# KiCad board PC110.kicad_pcb (continued)
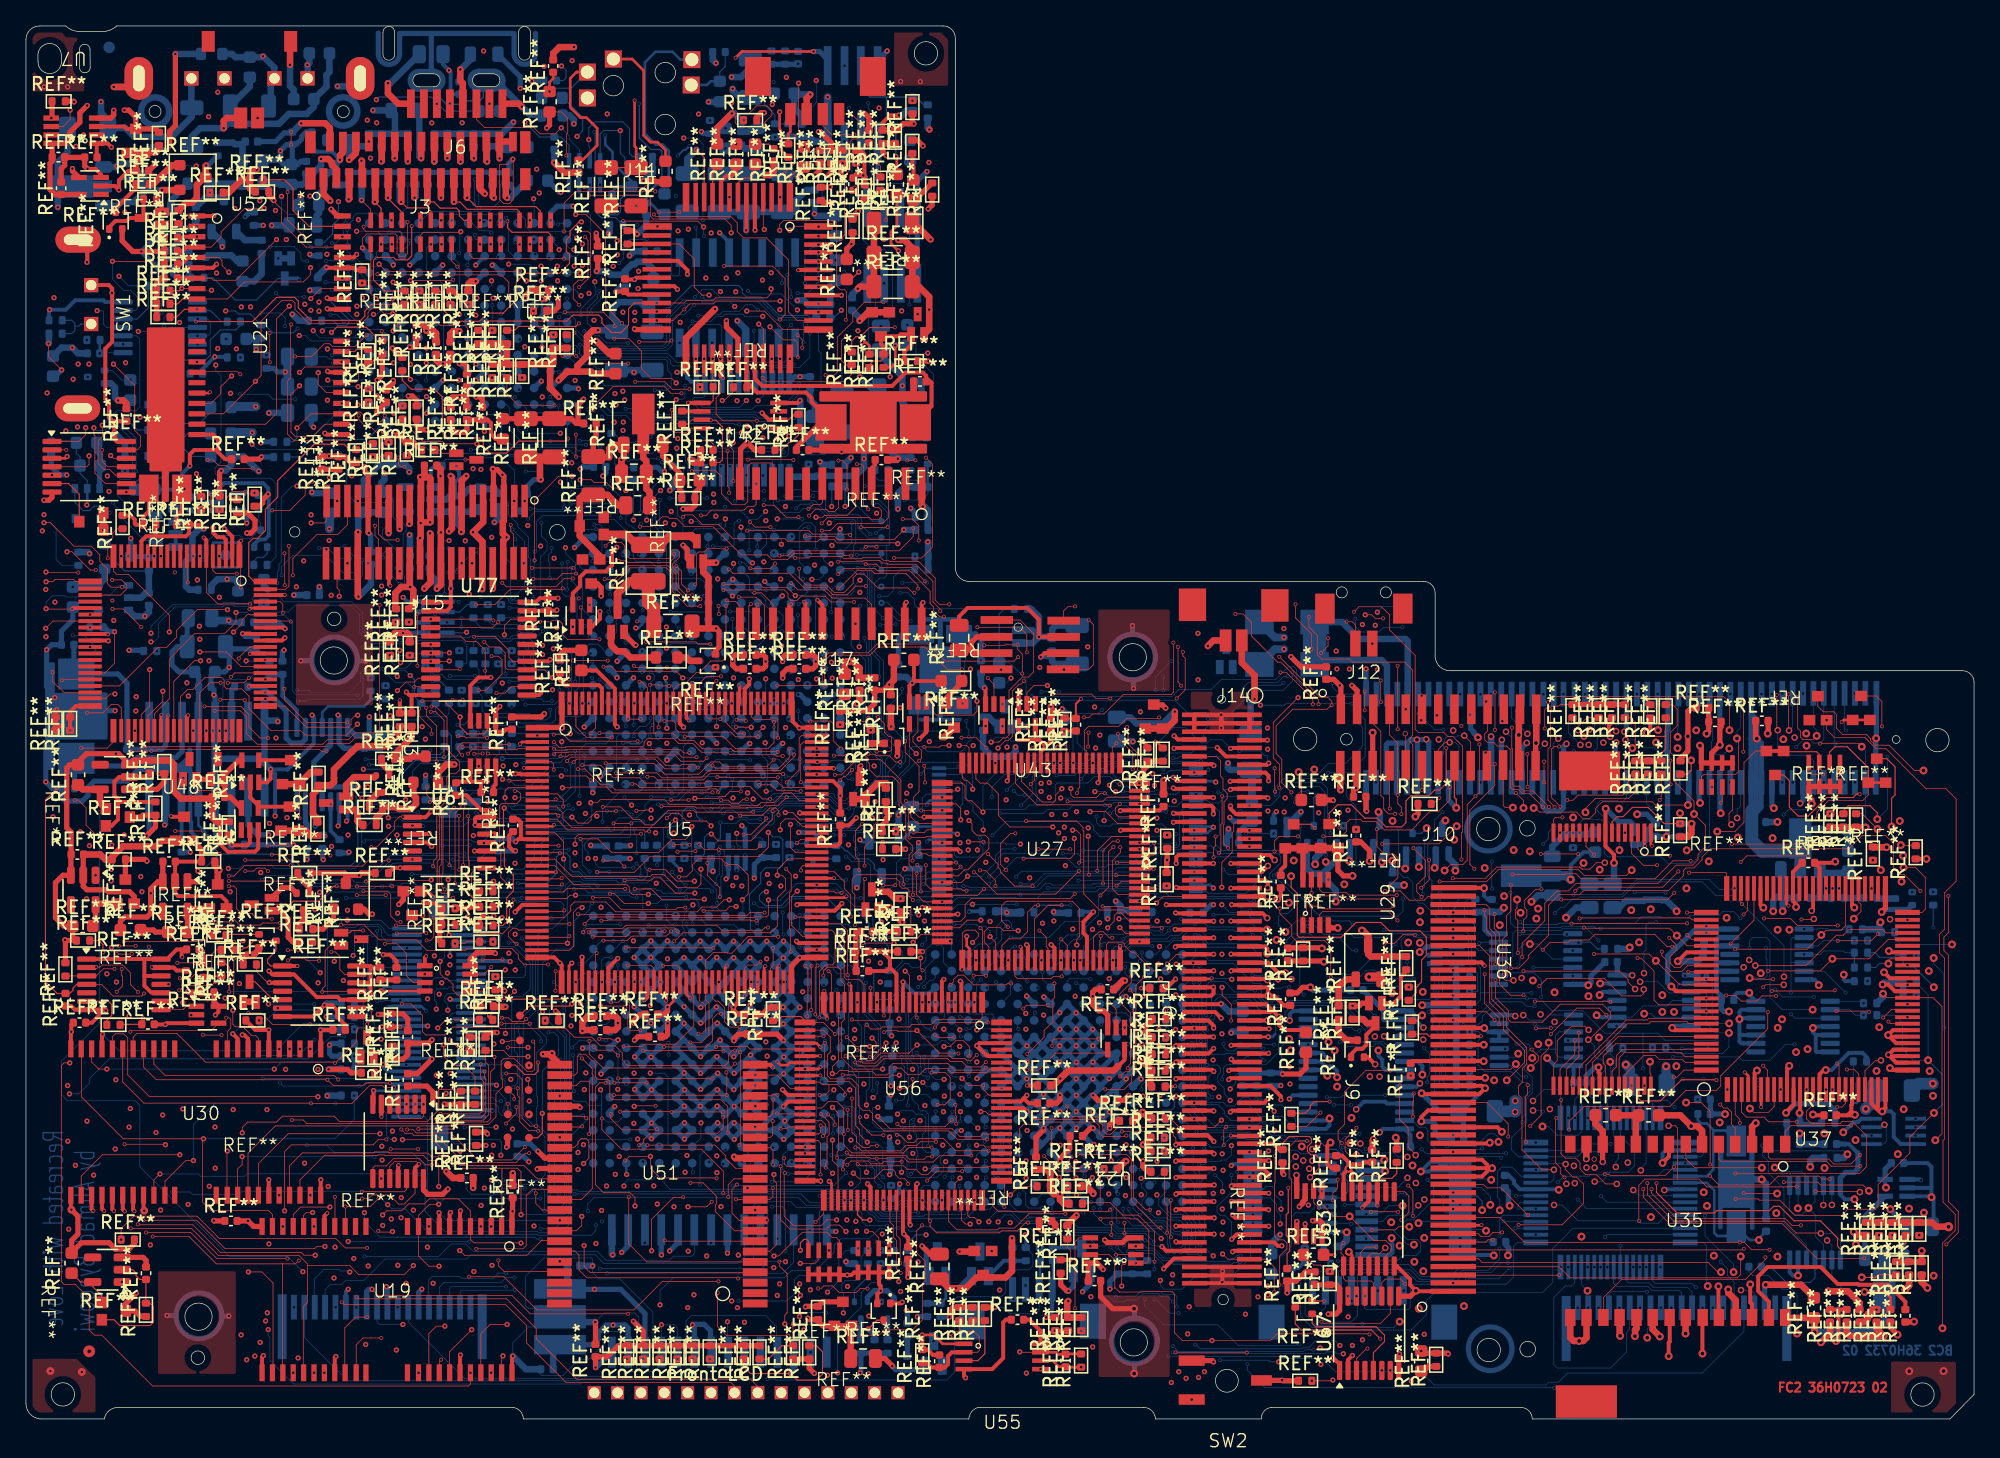
[diagram p0: board, top side]
## Via types
v1: diameter 0.4, hole 0.2, FC2 to BC2, 1903 vias
v2: diameter 0.3, hole 0.2, FC2 to FC1, 1729 vias
v3: diameter 0.6, hole 0.3, FC2 to BC2, 360 vias
v4: diameter 0.3, hole 0.2, FC2 to BC2, 6 vias
v5: diameter 0.5, hole 0.3, FC2 to BC2, 130 vias
v6: diameter 0.3, hole 0.2, FC2 to IC2, 2 vias
v7: diameter 0.9, hole 0.3, FC2 to BC2, 1 via
v8: diameter 0.3, hole 0.2, FC2 to IC1, 1 via
v9: diameter 0.4, hole 0.3, FC2 to BC2, 2 vias
v10: diameter 0.5, hole 0.2, FC2 to BC2, 1 via
v11: diameter 0.3, hole 0.2, BC1 to BC2, 1935 vias
v12: diameter 0.5, hole 0.2, BC1 to BC2, 3 vias
v13: diameter 0.4, hole 0.2, BC1 to BC2, 12 vias
v14: diameter 0.4, hole 0.2, FC2 to FC1, 1 via
v15: diameter 0.6, hole 0.2, FC2 to BC2, 4 vias
v16: diameter 0.6, hole 0.3, BC1 to BC2, 1 via

## Routing (per net, layer and track width the routed paths; a pad name or vN(x,y) marks a point on that pad's centre or on a via; arc(x,y) is an arc through that point)
A5VDET_AGPI: length 31.6
  FC2 w0.3: J16.19 92.82,42.81 v1(92.81,42.8)
  BC1 w0.05: v11(86.1,41.83) 92.32,41.83 92.81,42.32 v1(92.81,42.8) ; v11(72.21,41.06) 72.22,41.05 72.22,38.19 72.07,38.04 72.07,35.39 72.93,34.53 v11(72.93,33.84)
  BC2 w0.05: 72.57,33.24 72.57,33.27 72.92,33.62 72.92,33.83 v11(72.93,33.84) ; v11(72.21,41.06) 72.57,41.06 72.69,40.94 77.77,40.94 78.68,41.85 83.96,41.85 84.02,41.91 86.02,41.91 v11(86.1,41.83)
AV9_2XCPUCLK: length 3.2
  BC2 w0.08: 11.99,47.91 U8#2.14
  BC2 w0.3: REF**#624.1 11.99,47.91
AV9_14_318MHz: length 3.7
  BC2 w0.08: 15.8,47.89 U8#2.11
  BC2 w0.4: REF**#840.2 15.8,47.89
AV9_24MHz: length 2.8
  BC2 w0.08: 15.85,53.79 U8#2.6
  BC2 w0.4: 15.85,53.79 15.85,56.21 REF**#481.2
AV9_FS2: length 52.2
  FC2 w0.4: REF**#74.2 8.86,46.38 9.01,46.53 REF**#309.1 9.97,45.62 v1(9.29,44.94)
  IC2 w0.6: v1(15.49,64.72) 15.08,64.72 14.18,63.82 14.18,62.29 14.94,61.53 v1(15.61,61.53) 15.79,61.35 16.55,61.35 16.7,61.2 17.69,61.2 18.1,60.79 18.1,45.23 18.31,45.02 v1(18.69,45.02)
  IC3 w0.6: v1(18.69,45.02) 17.82,45.02 16.18,46.66 9.97,46.66 9.29,45.98 v1(9.29,44.94)
  BC2 w0.4: U8#2.10 17.11,45.75 17.83,45.02 v1(18.69,45.02) ; REF**#743.2 15.75,61.39 v1(15.61,61.53) ; U8#2.16 9.48,45.13 v1(9.29,44.94)
  BC2 w0.5: REF**#641.3 16.33,64.42 16.03,64.72 v1(15.49,64.72) 14.77,64.72 14.27,64.22 REF**#497.1
  BC2 w0.6: v1(15.61,61.53) 14.5,61.53 REF**#818.1
AV9_OE: length 28.7
  FC2 w0.05: 10.63,49.72 REF**#403.1
  FC2 w0.3: v2(10.21,49.72) 10.63,49.72
  FC2 w0.4: REF**#190.1 10.1,48.52 10.65,49.07 REF**#403.1
  FC1 w0.05: v1(8.84,41.79) 8.84,48.85 9.71,49.72 v2(10.21,49.72)
  IC1 w0.05: v1(8.84,41.79) 8.85,41.8 9.45,41.8 10.36,40.89 15.04,40.89 15.77,41.62 16.7,41.62 17.49,42.41 17.49,44.65 18.73,45.89 v1(18.76,45.89)
  BC2 w0.05: U8#2.9 18.38,46.27 v1(18.76,45.89)
AV9_VDD: length 19.7
  BC2 w0.08: 12.42,61.63 REF**#818.2
  BC2 w0.2: REF**#701.2 13.82,45.21 13.28,45.75 U8#2.13
  BC2 w0.4: U8#2.13 U8#2.4 13.28,56.4 REF**#465.2 13.3,57.27 REF**#761.2 11.78,57.57 11.25,58.1 11.25,59.12 11.65,59.52 REF**#565.2 12.42,61.63
AV9_X1: length 13.5
  BC2 w0.08: 3.74,50.77 3.88,50.91
  BC2 w0.4: 3.74,48.6 3.74,50.77 ; U8#2.3 12.03,51.45 11.55,50.97 8.6,50.97 8.28,50.65 7.78,50.65 7.45,50.32 4.47,50.32 3.88,50.91
AV9_X2: length 16.6
  BC2 w0.08: 3.69,57.6 X2.2
  BC2 w0.4: U8#2.2 10.76,51.9 10.47,51.61 REF**#575.2 7.78,56.71 7.08,57.41 X2.2 ; REF**#808.2 3.69,57.6
AVCC3EN#: length 90.2
  BC1 w0.05: v11(105.5,36.61) 105.5,37.53 106.04,38.07 106.04,39.75 105.79,40 105.79,40.31 105.9,40.42 v11(107.59,40.42) ; v11(74.03,33.22) 74.73,33.22 75.35,33.84 75.35,37.71 75.13,37.93 75.13,41.72 76.03,42.62 76.03,43.31 75.61,43.73 75.61,46.82 76.61,47.82 76.61,49.08 77.02,49.49 77.02,52.21 78.47,53.66 78.47,55.5 79.93,56.96 87.85,56.96 88.94,58.05 92.03,58.05 94.18,55.9 94.96,55.9 96.27,54.59 96.27,51.72 96.62,51.37 96.62,50.54 98.09,49.07 98.09,48.07 99.12,47.04 99.12,46.45 99.23,46.34 104.76,46.34 105.04,46.62 105.45,46.62 107.41,44.66 v11(107.73,44.66) ; v11(101.64,28.71) 101.64,32.5 101.5,32.64 v11(101.5,34.23)
  BC2 w0.05: 73.84,33.27 73.89,33.22 v11(74.03,33.22) ; v11(101.5,34.23) 102.35,34.23 103.68,35.56 104.45,35.56 v11(105.5,36.61) ; REF**#853.6 104.97,28.2 104.83,28.34 104.83,28.38 104.81,28.4 104.81,28.51 104.41,28.91 103.97,28.91 103.77,28.71 v11(101.64,28.71) ; v11(107.59,40.42) 107.59,40.87 107.73,41.01 v11(107.73,44.66)
AVCC5EN#: length 49.1
  BC1 w0.05: v11(92.14,26.16) 92.14,25.85 92.04,25.75 91.8,25.75 91.59,25.96 90.53,25.96 90.12,25.55 90.12,23.62 89.9,23.4 87.3,23.4 86.61,22.71 86.1,22.71 85.6,23.21 84.59,23.21 83.68,24.12 76.5,24.12 75.78,23.4 75,23.4 74.87,23.53 74.87,23.83 75.08,24.04 75.5,24.04 76.44,24.98 v11(76.44,30.04)
  BC2 w0.05: v11(76.44,30.04) 76.38,30.1 76.38,30.73 ; v11(92.14,26.16) 92.14,26.44 92.22,26.52 92.22,27.04 92.49,27.31 95.51,27.31 96.48,28.28 96.48,29.52 96.92,29.96 96.92,30.85 96.98,30.91 96.98,31.33 97.51,31.86 100.3,31.86 100.53,31.63 101.49,31.63 103.16,29.96 103.16,29.58 103.68,29.06 104.57,29.06 104.78,28.85 REF**#853.5
GND: length 4920.2
  FC2 w0.05: v3(112.93,19.32) 112.92,19.33 ; 116.33,52.11 v5(116.31,52.09) 116.28,52.06 ; REF**#366.3 67.48,78.87 68.38,78.87 ; REF**#366.3 67.41,78.8 68.37,78.8 ; REF**#366.3 63.14,74.53 v1(62.82,74.53) ; 65.31,77.29 66.7,78.68 ; 113.34,22.47 113.34,22.48 ; v5(121.45,19.81) 121.44,19.82 ; v1(54.37,100.61) 55.69,100.61 56.27,101.19 57.08,101.19 57.46,100.81 57.46,100.48 56.92,99.94 56.92,99.71 56.82,99.61 54.91,99.61 54.63,99.89 54.63,100.3 54.94,100.61 ; v1(42.84,39.41) 42.53,39.41 42.17,39.05 42.17,36.43 41.86,36.12 39.36,36.12 ; v2(43.03,38.15) 43.56,38.68 47.19,38.68 47.24,38.63 56.02,38.63 56.08,38.69 57.04,38.69 57.19,38.84 v1(57.19,39.99) ; v3(112.28,27.57) 112.27,27.58 ; 45.86,73.68 45.88,73.66 ; v2(41.86,38.15) 39.39,38.15 39.36,38.12 ; v1(78.94,54.92) 78.95,54.91 ; v3(112.29,28.84) 112.28,28.83 ; v1(69.04,39.42) 69.06,39.4 ; 8.03,102.65 U52.10 ; v3(112.39,26.29) 112.38,26.28 ; v3(123.93,6.38) 123.94,6.39 ; 37.53,97.05 37.53,93.96 37.23,93.66 36.79,93.66 36.46,93.99 36.46,96.62 36.53,96.69 37.11,96.69 v1(37.5,97.08) 37.53,97.05
  FC2 w0.08: 64.58,95.91 v1(64.5,95.83) ; 140.8,23.37 v3(140.87,23.44) ; v3(107.54,31.1) 107.12,30.68 REF**#141.2 ; 37.49,18.94 v1(37.5,18.95) ; v3(99.82,36.26) 99.77,36.31 ; v3(134.16,52.82) 134.19,52.85 ; 63.28,74.67 REF**#366.3
  FC2 w0.1: v1(6.35,59.96) 6.32,59.99
  FC2 w0.2: v1(82.58,49.04) 82.67,49.13 U27.4 ; REF**#318.4 27.31,32.98 v1(27.31,32.98) ; 26.77,24.3 REF**#203.7
  FC2 w0.25: U56.13 67.55,33.15 67.56,33.16 v1(67.56,33.67)
  FC2 w0.3: 14.68,46.03 14.9,45.81 v1(14.9,44.36) 15.55,43.71 16.1,43.71 16.11,43.72 17.65,43.72 17.89,43.96 REF**#254.3 ; 34.25,49.11 34.23,49.13 U3.5 ; 34.25,49.11 35.04,49.11 ; 34.25,49.11 33.22,49.11 REF**#91.2 ; v3(143.43,29.58) 143.55,29.46 144.93,29.46 ; v3(143.43,29.58) 143.81,29.96 144.93,29.96 ; v3(143.43,29.58) 144.05,28.96 144.93,28.96 ; 109.93,23.78 107.99,23.78 107.48,23.27 v3(107.48,22.93) ; v1(72.37,3.17) 72.25,3.29 U55.4 74.42,3.84 75.27,4.69 75.27,7.44 75.48,7.65 REF**#367.1 ; REF**#58.3 76.45,56 v1(76.56,56.11) ; U30.30 9.06,16.11 v15(9.11,16.05) ; 92.16,11.09 92.15,11.08 v1(92.15,10.55) ; 92.16,11.09 92.19,11.06 ; 92.16,11.09 v1(92.16,11.38) 92.18,11.4 92.18,11.71 ; v1(44.21,62.22) 44.21,61.66 43.6,61.05 REF**#233.3 ; 109.93,21.23 112.69,21.23 v3(112.75,21.29) ; 92.19,11.06 J16.139 ; 92.19,11.06 J16.69 ; REF**#391.1 v3(146.38,43.16) ; 68.42,56.87 v1(68.27,56.72) 68.05,56.5 REF**#185.3 ; 68.42,56.87 REF**#186.2 ; 68.42,56.87 68.39,56.9 REF**#143.2 ; v3(126.8,30.14) 126.98,29.96 129.43,29.96 ; 112.56,19.33 112.56,19.57 112.15,19.98 109.93,19.98 ; 112.56,19.33 112.56,19.09 112.15,18.68 109.93,18.68 ; 112.56,19.33 109.93,19.33 ; 112.56,19.33 112.92,19.33 ; 112.38,26.28 109.93,26.28 ; v15(3.5,16.13) 3.46,16.18 3.46,17.24 ; U5.44 44.86,34.77 v1(45.58,35.49) ; U30.44 22.71,18.43 v1(22.71,18.43) ; U5.100 62.16,49.17 62.73,48.6 v1(62.73,48.04) 62.72,48.03 REF**#92.2 ; 35.04,49.11 35.04,48.95 35.05,48.94 REF**#126.1 ; 35.04,49.11 v1(35.51,49.11) 35.53,49.13 U3.7 ; v1(71.97,33.73) 72.05,33.65 U56.4 ; v1(37.71,43.78) 37.55,43.78 37.22,44.11 37.22,44.96 REF**#348.1 ; v3(143.57,27.04) 143.73,26.89 144.93,26.89 ; REF**#37.7 65.71,10.38 65.83,10.26 v1(65.83,9.88) 65.57,9.62 REF**#419.2 ; REF**#37.7 REF**#37.8 ; REF**#37.7 REF**#37.6 REF**#37.5 63.79,11.29 63.59,11.09 v1(63.26,11.09) 62.72,11.09 REF**#177.8 REF**#177.7 REF**#177.6 REF**#177.5 ; REF**#356.1 43.96,57.69 45.36,56.28 45.36,53.51 v1(45.54,53.33) ; v1(37.5,4.84) 37.44,4.78 U19.44 ; v1(37.71,49.72) 38.1,49.72 38.15,49.67 U5.8 ; 129.43,35.96 127.92,35.96 v3(127.23,35.27) ; v1(39.68,56.23) 39.68,55.95 39.52,55.79 U77.13 ; U21.27 23.31,80.66 v1(23.23,80.74) ; v1(33.47,4.93) 33.44,4.9 U19.39 ; v3(133.82,39.4) 133.6,39.62 U37.70 ; 5.62,31.54 5.62,31.08 5.08,30.54 REF**#78.2 ; 5.62,31.54 REF**#124.7 3.77,31.54 3.48,31.83 REF**#209.1 ; 5.62,31.54 6.08,31.54 v1(6.15,31.47) ; v1(26.77,25.31) 26.77,24.3 ; U37.23 142.15,24.31 142.53,23.93 ; REF**#194.2 9.89,30.4 v1(10.74,30.4) 10.84,30.5 REF**#414.3 ; REF**#170.2 106.84,27.58 112.27,27.58 ; 140.6,23.71 140.29,23.4 ; 140.6,23.71 v3(140.87,23.44) 140.83,23.4 140.29,23.4 ; 140.6,23.71 140.6,24.19 140.65,24.24 U37.20 ; 140.29,23.4 REF**#169.2 ; U27.93 84.36,45.4 v1(84.32,45.36) ; U5.80 62.29,39.17 v1(62.84,39.72) ; v3(121.13,27.1) 121.13,26.7 121.21,26.62 U36.24 ; REF**#445.2 27.93,42.07 28.33,42.47 v1(28.82,42.47) 29.77,42.47 ; 92.18,11.71 J16.68 ; 92.18,11.71 J16.138 ; 55.36,55.15 55.36,56.26 55.71,56.61 v1(55.71,57.03) ; 144.93,27.96 143.55,27.96 v5(143.45,28.06) ; 144.93,35.96 143.59,35.96 v3(143.49,36.06) ; 144.93,33.96 143.58,33.96 v3(143.12,34.42) ; v1(23.14,88.74) 23.17,88.71 U21.35 25.23,88.71 25.38,88.56 REF**#429.2 ; U67.8 105.73,4.95 v1(105.8,5.01) ; v1(29.3,56.01) 29.53,55.79 29.7,55.79 ; REF**#389.2 71.88,61.85 72.53,62.5 77.12,62.5 78.02,61.6 v1(78.02,60.27) U43.7 ; REF**#67.2 24.6,30.35 23.97,30.98 23.97,31.49 23.57,31.89 v1(22.99,31.89) 22.11,31.01 REF**#121.7 ; v1(78.96,36.55) 79.22,36.29 U27.65 ; 112.28,28.83 109.93,28.83 ; 142.53,23.93 142.76,23.7 v3(142.98,23.7) 143.23,23.95 U37.25 ; 142.53,23.93 142.65,24.05 U37.24 ; 39.72,62.29 40.84,62.29 v1(40.89,62.34) ; 39.72,62.29 REF**#152.1 ; 39.72,62.29 38.61,62.29 U77.23 ; REF**#441.1 96.65,40.33 v3(96.39,40.07) ; U21.21 23.13,75.86 v1(23.02,75.97) ; U19.23 18.19,4.78 v1(18.29,4.88) ; U3.4 34.23,56.51 34.86,57.14 v1(35.8,57.14) ; v1(73.83,56.34) 73.91,56.26 REF**#151.3 ; v1(18.7,18.43) 18.7,17.25 U30.39 ; U77.12 29.7,55.79 ; 29.7,55.79 REF**#223.2 ; 64.58,95.91 64.58,97.45 64.28,97.75 REF**#5.2 ; v1(18.84,50.06) 18.84,49.33 18.57,49.06 REF**#302.3 ; 109.93,30.13 109.94,30.12 v3(112.32,30.12) ; 109.98,40.93 112.29,40.93 v3(112.31,40.91) ; 69.06,39.4 69.35,39.4 69.4,39.35 U27.45 ; REF**#444.2 66,99.9 66.56,100.46 v1(67.24,100.46) ; J16.70 J16.140 ; U56.37 58.69,24.96 v1(58.28,25.37) ; U35.8 126.55,20.22 v3(126.06,19.73) ; v5(143.45,28.06) 143.85,28.46 144.93,28.46 ; v5(143.45,28.06) 144.05,27.46 144.93,27.46 ; U37.61 138.15,42.48 REF**#159.2 139.27,42.86 v3(139.36,42.95) ; U5.64 54.86,32.09 v1(54.49,31.72) ; U48.73 19.87,60.99 v1(19.96,60.9) ; 109.93,9.83 109.92,9.84 107.1,9.84 v3(107.06,9.88) 106.61,10.33 106.61,10.76 105.58,11.79 U53.7 ; 6.32,59.99 U48.30 ; U19.30 23.79,4.73 v1(23.87,4.81) ; 113.34,22.48 109.93,22.48 ; REF**#153.2 103.37,27.88 v5(103.92,27.33) ; REF**#129.1 100.56,19.33 100.23,19.66 100.23,21.05 v3(100.48,21.3) ; v1(45.46,86.86) 45.49,86.89 REF**#264.1 46.39,86.65 U42.22 ; REF**#114.2 67.95,13.93 v1(67.62,14.26) 67.55,14.33 U56.63 ; U5.28 38.23,39.62 v1(37.68,39.07) ; U56.87 76.82,23.96 v1(77.1,23.68) ; v3(113.68,22.13) 113.34,22.47 ; v3(135.82,27.21) 135.65,27.04 U37.10
  FC2 w0.35: 92.1,52.96 J16.3 J16.1 J16.71 J16.73 92.1,52.96 ; 92.1,52.96 92.1,53.23 v1(92.07,53.26) 92.07,53.6 92.08,53.61 ; J16.2 92.08,53.61 ; 92.08,53.61 J16.72 ; 92.08,53.61 92.08,54.25 v1(92.06,54.27)
  FC2 w0.4: v1(69.02,13.32) 69.64,12.7 REF**#229.2 ; REF**#394.2 35.4,29.65 35.53,29.78 v1(36.28,29.78) ; v1(71.14,7.86) 71.14,8.32 71.42,8.6 REF**#133.2 REF**#110.2 ; REF**#401.1 33.96,78.94 33.78,78.76 ; REF**#270.2 103.21,46.9 v1(103.27,46.84) ; v1(53.95,84.63) 53.95,84.14 54.84,83.25 U42.33 ; v1(9.94,96.78) 9.94,96.67 REF**#28.2 ; v1(60.8,95.89) 61.13,96.22 REF**#198.1 ; 33.78,78.76 v1(33.39,78.76) 32.88,78.76 32.72,78.6 REF**#437.2 ; 33.78,78.76 33.96,78.58 REF**#382.2 ; REF**#231.2 43.87,7.45 v1(43.85,7.47) ; REF**#377.2 64.61,95.72 v1(64.5,95.83) 64.41,95.92 64,95.92 63.73,95.65 REF**#76.2 ; U37.51 143.23,39.36 v3(142.94,39.07) ; REF**#17.1 54.86,29.65 54.53,29.32 v1(54.53,29.15) ; REF**#118.2 46.8,91.57 v1(47.07,91.3) ; 99.77,36.31 REF**#135.2 97.23,36.31 REF**#158.2 ; REF**#320.4 97.88,18.77 v5(97.86,18.79) ; REF**#337.2 3.04,36.87 v1(3,36.91) 3.03,36.88 3.59,36.88 ; REF**#219.2 39.68,54.1 v1(39.93,54.35) ; REF**#317.2 43.69,75.52 43.92,75.75 REF**#238.2 ; 134.19,52.85 REF**#306.2 ; 116.28,52.06 J10.26 ; v1(46.87,84.01) 46.93,83.95 U42.26 ; REF**#251.2 8.35,13.51 7.93,13.09 6.89,13.09 6.4,13.58 4.27,13.58 3.52,12.83 REF**#81.2 3.52,13.76 4,14.24 4,15.63 v15(3.5,16.13) ; REF**#333.1 83.76,22.97 83.47,22.68 v1(83.47,22.4) ; REF**#247.2 103.69,21.47 v5(103.78,21.56) ; v1(53.17,60.92) 53.38,60.71 53.38,59.49 53.11,59.22 REF**#295.2 ; v1(83.09,13.79) 83.29,13.59 84.46,13.59 84.83,13.96 U22.4 ; v1(96.79,26.58) 98.13,26.58 98.59,27.04 REF**#363.1 ; REF**#53.1 54.62,58.88 54.44,58.7 v1(54.44,58.4) 54.44,58.08 54.71,57.81 REF**#216.1 ; v1(82.2,24.94) 82.59,24.55 REF**#208.2 ; REF**#434.2 82.37,33.1 82.16,32.89 v1(82.16,32.57) 82.16,31.92 82.62,31.46 82.99,31.46 83.32,31.13 REF**#263.3 ; v1(36.87,32.99) 36.79,33.07 REF**#405.1 ; U29.4 100.53,37.84 v3(101.04,37.84) ; v1(97.14,9.72) REF**#9.1 97.84,10.63 98.54,11.33 REF**#303.2 ; v1(6.76,100.85) 6.76,100.48 6.53,100.25 U7.4 ; REF**#269.1 63.93,34.54 v1(63.93,35.29) 63.91,35.31 REF**#79.1 63.92,36.05 v1(63.92,36.82) 63.92,37.47 63.99,37.54 ; REF**#180.1 27.04,77.65 v1(27.04,77.51) ; U51.34 39.96,20.1 v1(39.44,20.62) ; REF**#327.2 40.24,86.5 40.04,86.3 v1(39.75,86.3) ; 3.59,36.88 3.59,37.09 3.6,37.1 3.6,37.99 2.91,37.99 2.27,38.63 2.27,41.32 2.85,41.9 REF**#15.3 3.46,43.48 REF**#239.1 3.48,45.22 3.14,45.56 3.14,50.17 3.39,50.42 4.01,50.42 4.01,50.62 4.66,51.27 v1(6.93,51.27) 7.14,51.27 REF**#190.3 ; 3.59,36.88 3.88,36.88 REF**#393.1 ; J10.1 101.28,56.45 v1(101.2,56.53) 100.73,57 REF**#168.1 ; v1(23.51,93.23) 23.51,93.21 24.01,92.71 U21.40 ; v3(98.93,33.26) 98.34,33.26 97.91,32.83 REF**#147.2 ; REF**#253.1 REF**#10.1 32.24,24.24 v1(32.22,24.26) ; v1(27.05,80.06) 27.44,80.45 REF**#204.1 ; v1(82.2,22.41) 81.99,22.41 REF**#57.1 ; U35.12 121.44,21.16 121.44,19.82 ; REF**#440.2 105.58,21.61 v3(105.51,21.68) ; REF**#183.2 82.78,9.42 83.7,8.5 v3(85.35,8.5) ; REF**#102.1 54.76,31.2 54.49,31.47 v1(54.49,31.72) ; REF**#112.1 56.13,74.67 v1(55.55,75.25) 55.04,74.74 55.04,72.03 ; REF**#379.2 60.65,58.88 60.83,58.7 v1(60.83,58.37) 60.83,58.03 60.61,57.81 REF**#252.2 ; REF**#298.2 40.69,85.39 41.01,85.71 v1(41.01,86.37) ; REF**#38.1 47.14,29.46 v1(46.87,29.19) ; REF**#450.1 10.54,42.94 REF**#27.3 10.16,41.4 9.61,40.85 v1(9.61,40.51) 9.61,38.97 9.32,38.68 7.61,38.68 7.28,38.35 REF**#236.1 ; REF**#206.1 14.5,15.26 v1(14.47,15.29) ; 51.48,60.92 REF**#138.2 ; REF**#99.2 63.28,74.67 ; v3(107.06,9.88) 106.64,9.46 U67.9 ; REF**#323.1 29.04,27.72 29.41,28.09 REF**#246.1 31.01,28.96 v1(31.27,29.22) ; v1(66.73,4.07) 66.73,4.09 66.16,4.66 REF**#319.2 ; v1(18.14,74.13) 17.98,73.97 REF**#336.2 ; v1(47.56,95.42) 48.42,95.42 48.49,95.35 REF**#146.1 ; REF**#354.2 44.04,90.87 43.93,90.98 v1(43.93,91.37) ; REF**#71.1 30.88,25.65 31.34,25.19 v1(31.34,24.28) ; REF**#156.2 67.14,51.14 v1(67.09,51.09) ; REF**#250.2 77.8,21.69 78.38,22.27 v1(78.38,22.41) ; v1(12.49,32.94) 12.55,32.88 REF**#383.1 ; v1(34.67,78.77) 35,78.77 35.14,78.63 REF**#446.2 ; REF**#326.1 79.38,24.33 79.64,24.59 v1(79.64,24.96) ; REF**#43.1 47.3,31.17 46.84,30.71 v1(46.84,30.48) ; REF**#160.7 2.01,71.03 1.78,70.8 v1(1.39,70.8) ; v1(30.86,76.23) 30.39,76.23 30.09,76.53 REF**#80.1 ; v1(60.73,3.51) 60.33,3.91 REF**#289.1 REF**#128.1 ; v3(129.45,52.81) 129.61,52.97 REF**#385.1 REF**#296.2
  FC2 w0.5: v1(33.39,83.83) 32.91,83.83 32.68,83.6 REF**#242.2 ; REF**#176.1 REF**#324.1 51.41,73.71 v1(51.16,73.96) ; v1(29.59,64.12) 29.56,64.15 J15.32 ; v1(29.59,64.12) 29.83,63.88 29.83,62.76 REF**#196.2 ; v1(29.59,64.12) 28.92,64.12 28.45,63.65 28.45,62.48 REF**#339.2 ; REF**#372.2 13.63,35.07 13.63,35.58 v1(13.53,35.68) 13.53,35.98 REF**#353.2 ; REF**#432.2 REF**#364.2 64.2,57.87 63.7,58.37 v1(63.42,58.37) 63.2,58.37 63.08,58.25 REF**#86.2 ; v1(67.16,74) 67.07,73.91 REF**#288.2 ; REF**#19.3 REF**#19.1 64.86,85.29 v1(64.21,84.63) ; REF**#297.2 37.49,18.94 ; U35.18 122.75,6.44 v3(122.79,6.4) ; 140.24,7.47 140.24,6.65 140.48,6.41 v3(143.09,6.41) 142.54,6.96 142.54,7.47 ; 45.86,73.68 v1(45.86,73.91) 46.05,74.1 REF**#322.1 45.2,75.06 44.92,74.78 v1(44.92,74.12) 43.73,74.12 REF**#317.2 ; v1(53.17,60.92) 52.57,60.92 ; 52.57,60.92 51.48,60.92 ; 52.57,60.92 52.57,64.85 52.17,65.25 REF**#83.1 52.27,65.99 v1(53.16,65.99) ; U35.15 118.95,6.27 119.21,6.01 v3(119.63,6.01) 119.95,6.01 120.2,6.26 U35.16 ; v1(42.21,105.72) 41.09,105.72 40.61,105.24 REF**#386.2 ; REF**#212.2 30.63,84.35 30.84,84.14 v1(30.84,83.87) 31.36,83.87 31.59,83.64 REF**#6.2 ; REF**#424.2 15.61,94.5 16.61,95.5 REF**#26.1 ; REF**#42.1 120.89,22.73 121.45,22.17 U35.12 ; v1(79.28,14.57) 79.28,14.98 REF**#360.1 ; v1(25.59,68.34) 25.56,68.31 J15.37 25.56,63.42 v1(25.61,63.37) ; 39.59,74.14 39.59,72.45 v1(39.65,72.39) ; 39.59,74.14 38.51,74.14 ; 39.59,74.14 40.68,74.14 ; REF**#26.1 17.25,94.84 17.5,94.59 REF**#226.1 ; REF**#26.1 17.25,96.05 17.47,96.27 v1(17.78,96.27) ; v1(6.76,102.65) 8.03,102.65 ; J14.2 91.46,59.99 v1(91.03,59.56) ; v1(40.69,96.82) 41.46,96.05 REF**#122.1 ; U35.3 132.95,22.51 v3(133.24,22.8) ; v1(33.53,68.35) 33.56,68.38 J15.7 33.56,72.31 v1(33.92,72.67) ; J17.2 60.13,101.78 v1(60.42,102.07) ; v1(101.27,48.45) 101.23,48.49 J10.14 ; REF**#395.2 44.91,82.11 v1(43.93,83.08) ; v1(80.29,9.09) 80.2,9 80.2,7.88 REF**#18.2 REF**#87.2 ; v1(54.37,100.61) 53.23,99.47 REF**#273.2 ; 68.38,78.87 REF**#174.1 ; v1(54.54,20.21) 54.65,20.1 U51.15 ; 78.95,54.91 REF**#249.2 ; REF**#235.2 17.95,36.16 17.56,35.77 v1(17.27,35.77) 16.99,35.77 16.73,35.51 REF**#307.1 ; REF**#217.2 v1(87.62,49.22) ; v1(15.23,99.47) 15.23,100.03 15.46,100.26 U52.2 ; U35.6 129.1,22.21 128.74,22.57 v3(128.26,22.57) 127.43,23.4 REF**#8.2 ; 45.88,73.66 REF**#24.1 ; v3(128.29,45.87) 128.29,45.14 128.01,44.86 REF**#82.1 ; v1(56.93,95.86) 57.31,95.86 57.58,96.13 REF**#61.1 ; REF**#190.3 8.3,50.73 REF**#237.2 9.55,50.76 REF**#403.2 11.08,50.76 11.37,50.47 11.37,48.39 11.95,47.81 14.24,47.81 REF**#85.1 14.35,46.36 14.68,46.03 REF**#68.2 ; v1(67.19,90.85) 67.66,90.85 68.27,90.25 REF**#165.2 REF**#435.2 68.78,87.26 69.57,86.47 v1(69.57,85.49) 69.57,83.98 REF**#428.1 ; v3(134.01,10.34) 136.73,10.34 137.72,9.35 ; v1(32.38,19.07) 32.88,18.57 REF**#343.1 ; REF**#378.1 42.93,29.97 v1(42.86,29.9) 42.86,30.61 43.3,31.05 REF**#111.1 ; REF**#106.1 67.36,38.41 v1(67.5,38.27) ; v1(31.65,63.98) 31.96,64.29 J15.29 31.96,68.31 v1(31.95,68.32) 31.96,68.33 J15.9 31.96,72.62 v1(31.93,72.65) 31.93,73.19 REF**#286.2 ; 123.94,6.39 123.94,6.86 124.05,6.97 U35.19 ; 116.33,52.11 J10.13
  FC1 w0.05: 63.93,95.42 63.93,95.37 64.21,95.09 64.21,94.68 64.02,94.49 63.59,94.49 63.23,94.85 63.22,94.84 62.4,94.84 62.08,94.52 61.52,94.52 61.37,94.67 61.37,95.28 61.51,95.42 63.93,95.42 ; 63.93,95.42 64.34,95.83 v1(64.5,95.83) ; v2(43.03,38.15) v2(41.86,38.15) ; 29.05,83.39 27.87,83.39 27.53,83.05 24.32,83.05 23.94,83.43 23.94,83.88 23.5,84.32 21.94,84.32 21.66,84.04 21.66,83.54 22.36,82.84 23.7,82.84 23.87,82.67 27.74,82.67 28.08,83.01 31.07,83.01 32,83.94 32,84.98 32.36,85.34 32.69,85.34 33.09,85.74 33.09,86.06 32.81,86.34 32.14,86.34 31.96,86.16 31.96,85.58 31.61,85.23 31.61,84.64 v1(30.84,83.87) 30.36,83.39 29.01,83.39 ; v1(54.37,100.61) 55.28,100.61 55.28,100.48 ; 79.65,53.28 80.39,54.02 80.39,55.42 ; 79.65,53.28 79.59,53.22 79.59,52.8 79.78,52.62 80.17,52.62 80.92,53.37 80.92,56.21 79.63,57.5 77.97,57.5 77.14,58.33 76.29,58.33 76.03,58.07 75.38,58.07 75.33,58.13 74.94,58.13 74.73,57.91 74.73,57.59 74.94,57.38 75.38,57.38 75.53,57.53 76.25,57.53 76.54,57.82 76.91,57.82 77.71,57.02 79.35,57.02 80.39,55.98 80.39,55.42 ; 79.65,53.28 79.63,53.26 ; 55.28,100.48 55.13,100.48 54.9,100.25 54.9,99.74 55.04,99.59 55.04,98.98 54.69,98.63 54.55,98.63 54.33,98.4 54.33,98.08 54.53,97.87 54.86,97.87 55.65,98.66 55.65,100.26 55.43,100.48 55.28,100.48 ; 36.24,43.78 36.24,45.2 36.1,45.34 35.72,45.34 35.6,45.22 35.6,42.31 35.75,42.16 36.1,42.16 36.24,42.3 36.24,43.78 ; 36.24,43.78 v1(37.71,43.78) ; 80.39,55.42 79.36,55.42 78.94,55 v1(78.94,54.92) ; 67.07,100.46 66.54,99.93 66.05,99.93 64.63,101.35 62.99,101.35 61.62,99.98 57.94,99.98 57.61,100.31 57.61,101.18 v1(57.49,101.3) 56.24,101.3 55.91,100.97 55.91,99.17 56.66,98.42 62.84,98.42 63.72,99.3 64.27,99.3 65.87,97.7 65.87,97.03 66.18,96.72 66.18,95.35 64.61,93.78 63.56,93.78 63.37,93.59 63.37,92.42 63.49,92.3 65.7,92.3 68.85,95.45 68.85,96.43 68.95,96.53 68.95,96.84 68.99,96.88 68.99,97.02 69.3,97.33 69.58,97.33 69.75,97.5 69.75,98.57 69.51,98.81 69.23,98.81 68.87,99.17 68.12,99.17 67.24,100.05 v1(67.24,100.46) 67.07,100.46 ; 38.94,89.01 38.94,87.59 38.64,87.29 36.22,87.29 35.49,86.56 35.49,86.16 35.75,85.9 36.19,85.9 36.57,86.28 36.57,86.54 36.92,86.89 39.12,86.89 39.71,86.3 v1(39.75,86.3) 39.75,87.17 40.1,87.52 40.1,89.02 39.84,89.28 39.21,89.28 38.94,89.01
  IC1 w0.05: 38.26,42.34 38.26,43.36 37.84,43.78 v1(37.71,43.78) 37.67,43.78 ; 38.26,42.34 38.27,42.33 42.05,42.33 42.1,42.29 42.61,42.29 42.65,42.33 46.61,42.33 48.23,43.95 62.27,43.95 63.1,44.78 63.56,44.78 63.78,44.56 63.78,44.03 63.34,43.59 48.55,43.59 46.93,41.97 36.97,41.97 36.59,42.35 29.61,42.35 29.44,42.52 28.87,42.52 ; 38.26,42.34 37.26,42.34 36.86,42.74 29.84,42.74 29.43,43.15 28.32,43.15 28.21,43.04 24.47,43.04 ; 42.8,35.2 43.02,35.2 43.29,35.47 43.29,35.79 42.8,36.29 41.51,36.29 40.88,36.92 18.03,36.92 17.21,37.73 16.52,37.73 16.33,37.54 16.33,36.55 16.56,36.32 16.87,36.32 17.27,35.92 v1(17.27,35.77) 17.27,35.83 17.98,36.54 40.66,36.54 41.29,35.91 41.52,35.91 41.75,35.68 ; 42.8,35.2 42.65,35.2 42.23,35.62 41.81,35.62 41.75,35.68 ; 42.8,35.2 42.8,34.94 43.22,34.52 44.5,34.52 45.47,35.49 v1(45.58,35.49) 46.62,34.45 64.32,34.45 64.44,34.57 64.44,35.53 64.72,35.81 65.1,35.81 65.33,35.58 65.33,34.64 64.8,34.11 42.52,34.11 41.59,35.04 41.59,35.52 41.75,35.68 ; 37.67,43.78 37.59,43.86 37.2,43.86 36.47,43.13 30.12,43.13 29.39,43.86 25.9,43.86 25.57,44.19 24.77,44.19 24.47,43.89 24.47,43.04 ; 37.67,43.78 37.61,43.84 ; 91.91,24.2 91.91,23.56 91.65,23.3 90.94,23.3 90.66,23.58 88.38,23.58 87.75,24.21 87.46,24.21 87.02,24.66 ; 91.91,24.2 92.3,24.59 92.3,25.05 92.68,25.43 v1(92.76,25.43) ; 91.91,24.2 90.83,24.2 90.63,24 90.64,24.01 90.59,23.96 88.72,23.96 87.96,24.72 87.96,24.98 87.51,25.43 87.14,25.43 86.89,25.18 86.89,24.88 ; 58.05,70.84 58.95,70.84 58.96,70.85 ; 58.05,70.84 57.67,71.22 55.76,71.22 55.34,70.8 55.34,69.46 55.55,69.25 55.55,68.57 55.34,68.36 54.53,68.36 54.52,68.36 54.47,68.36 54.28,68.55 52.96,68.55 50.74,70.77 48.83,70.77 48.27,70.21 48.27,69.07 48.06,68.86 47.61,68.86 47.39,69.08 47.39,70.04 48.51,71.16 50.99,71.16 53.17,68.99 54.05,68.99 54.05,68.99 54.23,68.99 54.82,69.58 54.82,71.19 55.22,71.59 61.55,71.59 62.57,70.57 62.57,70.07 62.37,69.87 61.94,69.87 60.6,71.21 59.32,71.21 58.96,70.85 ; 58.05,70.84 58.05,69.87 58.34,69.58 58.34,68.34 58.89,67.79 65.12,67.79 67.62,65.29 67.62,63.79 67.41,63.58 67.41,62.74 67.61,62.55 68.05,62.55 68.24,62.73 68.24,63.63 68.12,63.75 68.14,63.73 67.99,63.88 67.99,65.53 65.29,68.23 63.07,68.23 v1(62.71,68.59) 62.58,68.59 62.2,68.21 59.19,68.21 58.68,68.72 58.68,69.53 58.96,69.81 58.96,70.85 ; 84.46,50.14 85.67,50.14 85.76,50.23 87.12,50.23 87.36,49.99 88.66,49.99 89.57,49.08 v1(91.64,49.08) 92.06,49.08 92.63,49.65 95.15,49.65 95.23,49.73 96.88,49.73 97.19,49.43 98.21,49.43 98.45,49.67 98.45,50.04 98.15,50.34 97.06,50.34 96.83,50.11 92.42,50.11 92.07,49.76 89.65,49.76 89.07,50.34 87.63,50.34 87.39,50.58 68.1,50.58 67.59,51.09 v1(67.09,51.09) 67.04,51.14 ; 84.46,50.14 66.97,50.14 66.6,50.51 66.04,50.51 65.7,50.17 65.7,49.67 ; 84.46,50.14 84.46,49.94 86.05,48.35 86.95,48.35 87.9,47.4 87.9,45.94 88.75,45.09 108.62,45.09 108.81,45.28 108.81,48.32 109.78,49.29 117.01,49.29 117.57,49.85 117.57,52.68 117.78,52.89 118.32,52.89 118.62,52.59 118.62,52.06 v5(118.65,52.03) 118.65,51.48 118.06,50.89 118.06,49.69 117.26,48.89 110.01,48.89 109.44,48.32 109.44,46.85 109.76,46.54 109.76,45.87 109.46,45.57 109.46,45.21 108.97,44.72 88.46,44.72 87.51,45.67 87.51,47.07 86.72,47.86 85.85,47.86 83.97,49.74 67.65,49.74 67.09,49.18 63.91,49.18 63.08,50.01 48.83,50.01 48.55,50.29 38.7,50.29 38.13,49.72 v1(37.71,49.72) 37.71,49.83 37.32,50.22 37.32,50.7 37.6,50.98 38.4,50.98 38.69,50.69 48.8,50.69 49.11,50.39 63.36,50.39 64.07,49.67 65.7,49.67 ; 40.26,66.9 40.26,66.15 40.5,65.91 41.37,65.91 41.69,66.23 51.66,66.23 52.12,66.69 57.31,66.69 57.37,66.63 60.76,66.63 61.86,65.53 62.2,65.53 62.47,65.79 62.47,66.21 61.68,67 57.76,67 57.64,67.12 51.92,67.12 51.38,66.58 42.93,66.58 42.36,67.15 v1(42.25,67.15) 42.18,67.15 41.81,66.78 41.05,66.78 40.92,66.9 40.92,66.9 40.26,66.9 ; 40.26,66.9 40.14,66.9 ; 60.7,57.57 59.56,56.43 48.75,56.43 ; 60.7,57.57 60.69,57.58 58.51,57.58 58.47,57.62 58.08,57.62 58.03,57.57 56.39,57.57 56.19,57.77 49.11,57.77 48.75,57.41 48.75,56.43 ; 60.7,57.57 61.76,57.57 62.06,57.87 62.29,57.87 62.51,58.09 62.51,58.59 62.28,58.82 61.75,58.82 61.61,58.68 61.61,58.47 61.06,57.92 58.8,57.92 58.73,57.99 57.81,57.99 57.77,57.95 56.65,57.95 56.42,58.18 55.5,58.18 55.28,58.4 v1(54.44,58.4) 54.38,58.4 54.33,58.45 53.71,58.45 53.47,58.21 47.85,58.21 46.8,57.16 v1(46.8,57.12) ; 24.47,43.04 24.19,43.04 23.59,43.64 22.68,43.64 22.5,43.46 22.5,42.92 22.74,42.68 27.23,42.68 27.35,42.56 28.73,42.56 v1(28.82,42.47) 28.87,42.52 ; 28.87,42.52 29.01,42.52 ; 87.02,24.66 86.89,24.78 86.89,24.88 ; 87.02,24.66 87.05,24.62 ; v1(54.37,100.61) 54.32,100.66 ; 54.32,100.66 52.82,100.66 ; 54.32,100.66 54.24,100.66 ; 86.89,24.88 86.88,24.87 v1(86.02,24.87) ; 52.82,100.66 52.82,100.39 52.62,100.19 51.15,100.19 51.14,100.19 50.88,100.19 49.63,101.44 47.15,101.44 45.25,99.54 43.68,99.54 42.95,98.81 42.95,98.68 42.73,98.47 42.29,98.47 42.07,98.69 42.07,99.04 43.23,100.2 44.98,100.2 46.85,102.07 49.95,102.07 50.64,101.38 52.1,101.38 52.82,100.66 ; 48.75,56.43 47.65,56.43 46.96,57.12 v1(46.8,57.12) ; 40.14,66.9 39.56,66.9 39.55,66.9 39.46,66.9 39.25,67.11 39.25,68.13 39.31,68.19 39.31,69.98 40.1,70.77 46.98,70.77 47.38,71.17 47.38,74.62 51.78,79.02 53.84,79.02 54.1,78.76 54.1,78.35 53.86,78.11 51.63,78.11 47.91,74.39 47.91,70.95 47.25,70.29 40.34,70.29 39.68,69.63 39.68,68.15 39.84,67.99 39.84,67.83 40.14,67.53 40.14,66.9 ; v1(46.8,57.12) 46.75,57.12 46.08,56.45 41.45,56.45 41.21,56.69 40.36,56.69 40.14,56.47 40.14,56.02 40.36,55.8 41.16,55.8 41.43,56.07 60.48,56.07 61.35,56.94 61.35,57.57 ; 35.92,91.1 34.86,91.1 33.85,90.09 33.85,86.16 33.7,86.01 33.05,86.01 32.95,86.11 32.95,90.24 34.24,91.53 40.3,91.53 40.78,92.01 40.78,94.76 40.95,94.93 41.48,94.93 41.66,94.75 41.66,92.06 40.7,91.1 35.92,91.1 ; 35.92,91.1 v1(35.92,88.92) ; 67.18,50.11 67.18,49.91 66.94,49.67 65.7,49.67 ; 64.86,49.67 64.86,50.66 65.34,51.14 67.04,51.14 ; 67.04,51.14 66.98,51.14 ; 32.36,69.32 31.95,68.91 v1(31.95,68.32) 31.95,67.55 32.96,66.54 32.96,65.7 33.27,65.39 33.27,63.57 33.08,63.38 30.33,63.38 v1(29.59,64.12) 27.45,64.12 v1(27.39,64.18) 27.34,64.18 26.99,63.83 26.99,63.31 27.19,63.11 28.6,63.11 28.78,62.94 29.43,62.94 29.5,63.01 33.61,63.01 33.72,63.12 33.72,65.73 33.35,66.1 33.35,67.76 33.53,67.94 v1(33.53,68.35) 33.56,68.35 34.04,68.83 34.72,68.83 34.92,68.63 34.92,68.22 35.57,67.57 35.65,67.57 35.66,67.57 36.23,67.57 36.37,67.7 36.37,68.33 36.18,68.52 35.65,68.52 34.85,69.32 32.36,69.32 ; 103.86,46.36 104.36,46.36 104.67,46.67 104.67,47.43 104.36,47.74 104.36,52.04 104.66,52.34 104.66,52.77 105.49,53.6 112.88,53.6 113.27,53.21 113.27,52.75 v5(113.68,52.34) 114.15,52.34 114.41,52.6 114.41,52.73 114.42,52.75 114.42,53.35 113.78,53.99 105.25,53.99 104.28,53.02 104.28,52.6 103.98,52.3 103.98,47.7 103.54,47.26 103.53,47.26 103.27,47 v1(103.27,46.84) 103.69,46.42 103.8,46.42 103.86,46.36 ; 27.09,80.1 27.09,80.71 27.47,81.09 27.81,81.09 27.89,81.01 28.6,81.01 28.82,81.23 28.82,81.7 28.6,81.92 27.6,81.92 26.05,80.37 25.77,80.37 25.18,79.78 25.18,79.43 25.48,79.13 25.85,79.13 26.47,79.75 26.74,79.75 v1(27.05,80.06) 27.09,80.1 ; 36.48,79.63 32.68,79.63 32.26,80.05 v1(32.13,80.05) 31.76,79.68 31.37,79.68 31.08,79.97 31.08,80.66 31.36,80.94 31.36,81.73 31.21,81.88 30.69,81.88 30.43,81.62 30.43,80.92 30.71,80.64 30.71,79.75 31.18,79.28 36.55,79.28 37.2,78.63 37.2,72.04 37.79,71.45 45.31,71.45 45.58,71.18 45.75,71.18 45.77,71.17 46.5,71.17 46.7,71.37 46.7,71.88 46.5,72.08 45.55,72.08 45.28,71.81 38.12,71.81 37.59,72.34 37.59,78.89 36.85,79.63 36.48,79.63 ; 41.38,60.77 41.38,60.08 41.16,59.86 40.72,59.86 40.56,60.02 40.44,60.02 39.96,60.5 39.1,60.5 38.31,59.71 34.59,59.71 33.46,58.58 33.46,58.04 30.18,54.76 22.56,54.76 v1(22.04,54.24) 22.04,54.35 21.62,54.77 12.95,54.77 12.72,55 12.69,55 12.13,55.56 12.13,55.91 12.34,56.12 12.82,56.12 13.75,55.19 29.96,55.19 33.09,58.32 33.09,58.85 34.29,60.05 34.56,60.05 34.57,60.06 37.78,60.06 38.82,61.1 40.77,61.1 v1(40.89,60.98) 41.17,60.98 41.38,60.77 ; 30.3,82.53 30.3,82.9 28.83,84.37 26.39,84.37 25.84,83.82 25.84,82.65 26.09,82.4 26.09,81.67 25.88,81.46 25.36,81.46 25.19,81.64 25.19,82.4 25.44,82.65 25.44,84.07 26.13,84.76 26.35,84.76 26.37,84.75 29.15,84.75 29.96,83.93 30.71,83.93 30.77,83.87 v1(30.84,83.87) 30.84,83.44 31.47,82.81 31.47,82.48 31.14,82.15 30.68,82.15 30.3,82.53 ; 35.8,41.06 36.55,41.06 36.8,41.31 47.28,41.31 48.98,43.01 62.82,43.01 63.3,42.53 v1(63.3,42.48) 63.3,42.62 63.66,42.98 65.16,42.98 65.42,42.73 66.22,42.73 66.46,42.97 66.46,43.39 66.24,43.61 65.37,43.61 65.16,43.4 65.16,43.38 48.7,43.38 47.04,41.72 36.78,41.72 36.56,41.94 35.78,41.94 35.61,41.77 35.61,41.24 35.8,41.06 ; 24.84,78.66 25.83,78.66 26.03,78.46 26.03,77.95 25.85,77.77 24.82,77.77 v1(23.02,75.97) 22.93,76.06 22.85,76.06 22.85,76.06 21.99,76.06 21.76,76.29 21.76,76.69 22.01,76.94 23.12,76.94 24.84,78.66 ; 55.22,75.25 v1(55.55,75.25) 55.55,74.77 56.3,74.02 60.18,74.02 60.49,74.33 61.39,74.33 61.63,74.09 61.63,73.58 61.43,73.38 60.37,73.38 60.2,73.55 55.54,73.55 54.06,75.03 54.06,75.45 54.35,75.74 54.73,75.74 55.22,75.25 ; 22.34,19.6 25.83,19.6 26.55,18.88 28.73,18.88 29.44,19.59 31.86,19.59 v1(32.38,19.07) 32.9,19.59 35.93,19.59 38.29,17.23 68.28,17.23 68.65,17.6 69.02,17.96 69.02,18.39 68.75,18.65 68.37,18.65 67.3,17.58 38.88,17.58 v1(37.5,18.95) 36.5,19.95 29.04,19.95 28.36,19.27 26.84,19.27 26.13,19.98 22.35,19.98 22.1,20.23 21.18,20.23 21,20.05 21,19.54 21.2,19.34 21.28,19.34 21.29,19.34 22.08,19.34 22.34,19.6 ; 69.34,19.91 69.66,19.59 69.66,19.09 69.47,18.9 69.02,18.9 68.4,19.51 51.87,19.51 50.96,18.6 50.59,18.6 50.29,18.9 50.29,19.28 50.91,19.9 54.23,19.9 v1(54.54,20.21) 54.6,20.21 54.9,19.91 69.34,19.91
  IC1 w0.1: 9.92,7 2.64,14.28 2.64,36.38 2.6,36.42 2.6,37.64 2.65,37.69 2.65,40.85 4.89,43.09 4.89,44.18 5.22,44.51 5.36,44.51 5.47,44.62 5.47,45.2 7.07,46.8 9.13,46.8 10.23,47.9 10.23,54.29 11.15,55.21 11.15,59.71 11.64,60.2 11.64,61.77 11.33,62.08 11.33,65.58 12.91,67.16 14.8,67.16 15.8,68.16 15.8,68.86 15.28,69.38 13.56,69.38 10.03,65.85 10.03,62.53 9.36,61.86 v1(9.16,61.86) 9.16,61.59 7.53,59.96 v1(6.35,59.96) 6.35,58.77 4.52,56.94 4.52,52.72 2.62,50.82 2.62,46.94 2.08,46.4 ; 9.92,7 10.87,7.95 v1(10.87,7.97) ; 9.92,7 10.98,5.94 14.19,5.94 16.31,3.82 40.4,3.82 42.7,6.12 64.88,6.12 65.83,7.07 v1(65.83,9.88)
  IC2 w0.05: v1(42.84,39.41) 42.84,41.33 41.93,42.24 41.93,44.67 43.57,46.31 43.57,46.74 44.21,47.38 44.21,48.9 43.82,49.29 43.82,49.81 44.38,50.37 44.38,58.64 45.78,60.04 49.65,60.04 50.04,60.43 50.04,68.27 50.4,68.63 50.4,69.62 50.21,69.81 50.21,71.11 51.1,72 56.18,72 57.87,70.31 v1(57.87,69.36)
  IC3 w0.05: 28.43,57.7 28.24,57.7 28.13,57.59 28.13,57.08 28.55,56.66 28.93,56.66 29.05,56.54 29.46,56.54 29.72,56.28 29.72,56.24 30.65,56.24 31.31,55.58 37.19,55.58 38.87,53.9 40.71,53.9 40.98,54.17 61.05,54.17 62.09,53.13 74.21,53.13 v1(75.57,51.77) 76.31,52.51 79.86,52.51 80.82,51.55 80.82,51.17 81.68,50.31 89.06,50.31 89.95,49.42 89.95,44.89 90.67,44.17 107.5,44.17 108.59,45.26 108.59,46.4 110.39,48.2 113.45,48.2 116.64,51.39 117.19,51.39 117.55,51.75 117.55,52.22 117.16,52.61 116.73,52.61 116.32,52.21 116.32,52.1 v5(116.31,52.09) 116.31,51.75 113.21,48.65 110.06,48.65 107.2,45.79 107.2,45.2 106.59,44.59 102.73,44.59 ; 28.43,57.7 28.43,58.66 28.62,58.86 29.52,58.86 32.05,56.32 38.7,56.32 39.61,55.41 61.26,55.41 62.72,53.95 74.49,53.95 74.6,54.06 79.96,54.06 81.9,52.12 81.9,51.56 82.33,51.13 89.64,51.13 90.88,49.89 90.88,45.4 91.2,45.08 101.87,45.08 103.21,46.42 103.21,46.78 v1(103.27,46.84) 103.27,46.95 103.57,47.25 104.43,47.25 104.66,47.02 104.66,46.56 104.39,46.29 104.12,46.29 102.73,44.9 102.73,44.59 ; 28.43,57.7 28.84,57.7 28.84,57.68 29.17,57.35 29.17,57.07 29.21,57.07 29.4,56.88 29.67,56.88 29.9,56.65 31.02,56.65 31.75,55.92 38.41,55.92 39.31,55.02 60.95,55.02 62.41,53.56 74.74,53.56 75.41,52.89 80.49,52.89 81.48,51.9 81.48,51.24 82.02,50.7 89.28,50.7 90.43,49.55 90.43,45.13 90.97,44.59 102.73,44.59 ; v1(19.96,60.9) 20.54,60.9 20.65,60.79 20.65,60.75 20.62,60.72 20.62,60.39 20.4,60.17 20.4,59.87 20.36,59.83 20.36,59.79 ; 20.36,59.79 20.41,59.74 20.41,58.83 20.08,58.5 20.07,58.5 20.07,55.29 23.43,51.93 30.31,51.93 v1(30.77,52.39) 31.33,51.83 31.39,51.83 31.41,51.82 44.93,51.82 45.07,51.68 61.05,51.68 62.99,49.73 68.89,49.73 69.17,49.45 74.7,49.45 74.89,49.64 75.88,49.64 76.01,49.51 76.01,49 75.81,48.8 75.77,48.8 75.77,48.8 75.01,48.8 74.77,49.03 68.88,49.03 68.62,49.29 62.72,49.29 60.73,51.28 44.77,51.28 44.63,51.42 23.23,51.42 19.73,54.92 19.73,58.42 19.43,58.72 19.43,59.58 19.64,59.79 20.36,59.79